# Altium PCB V1.PcbDoc (part 2 of 2)
Units mm, origin at the board's own origin, x right, y up, seen from the top; angles counter-clockwise.
Board outline 284.69 x 94.19 mm, 2 copper layers (Top Layer, Bottom Layer); 180 components, 112 nets, 773 pads, 156 vias.
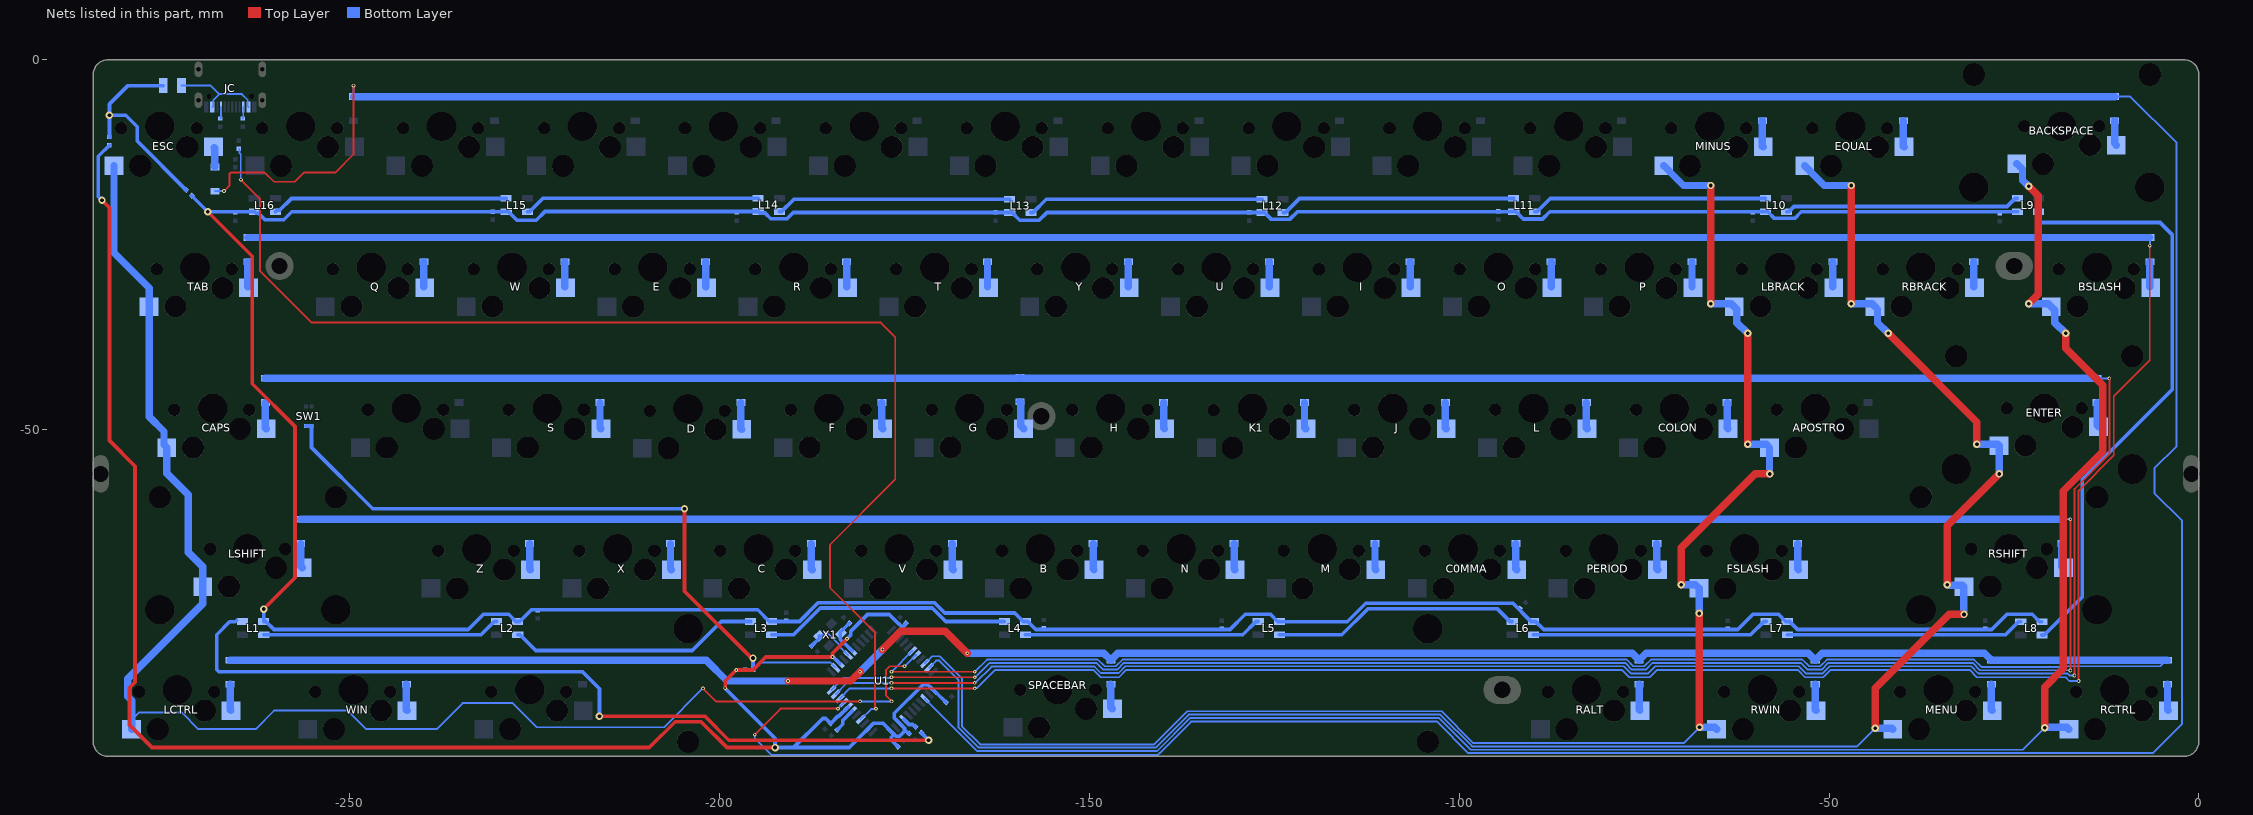
[diagram p2: the nets of this part, all layers, seen from the top]

## Via types
v1: diameter 1, hole 0.5, Top Layer to Bottom Layer, tented both sides, 95 vias
v2: diameter 0.5, hole 0.25, Top Layer to Bottom Layer, tented both sides, 61 vias

## Nets (pads, with @x,y where several pads share a name; then routed paths per layer and width w, separated by ;. In a path a pad name is that pad's centre, name@x,y a point inside that pad or via, vN(x,y) a via of type N, cw(c..) or ccw(c..) an arc to the next point about the centre after c; other vN are vias at no path point) (continued)
NetAPOSTRO_MX2: APOSTRO.MX2 FSLASH.MX2 LBRACK.MX2 MINUS.MX2 RWIN.MX2 U1.31 | length 215.9
  Top Layer w1: v1(-70,-71) -70,-66 -60,-56 v1(-58,-56) ; v1(-67.56,-74.864) -67.53,-74.894 -67.53,-90.22 v1(-67.5,-90.25) ; v1(-66,-33) v1(-66,-17) ; v1(-61,-52) v1(-61,-37)
  Bottom Layer w0.254: U1.31@-172.253,-81.629 -171.277,-80.654 -170.238,-80.654 -167.25,-83.642 -167.25,-90.089 -164.778,-92.561 -141.237,-92.561 -136.768,-88.092 -102.374,-88.092 -98.078,-92.388 -69.638,-92.388 v1(-67.5,-90.25)
  Bottom Layer w1: MINUS.MX2@-72.34,-14.334 -72.315,-14.334 -71.565,-15.084 -71.565,-15.109 -69.674,-17 v1(-66,-17) ; v1(-70,-71) -68.062,-71 FSLASH.MX2@-67.578,-71.484 -67.56,-71.484 v1(-67.56,-74.864) ; v1(-67.5,-90.25) RWIN.MX2@-65.447,-90.25 ; v1(-66,-33) -63.199,-33 LBRACK.MX2@-62.815,-33.384 -62.452,-33.748 -62.452,-35.548 v1(-61,-37) ; RWIN.MX2@-65.197,-90.534 RWIN.MX2@-65.197,-90.5 ; v1(-61,-52) -58.487,-52 APOSTRO.MX2@-58.053,-52.434 -58.053,-55.947 v1(-58,-56)
NetB_MX1: B.MX1 D47.A | length 3.6
  Bottom Layer w1: D47.A@-149.494,-65.404 -149.494,-68.828 B.MX1@-149.378,-68.944
NetBACKSPACE_MX1: BACKSPACE.MX1 D14.A | length 3.4
  Bottom Layer w1: D14.A@-11.381,-8.254 -11.381,-11.324 BACKSPACE.MX1@-11.165,-11.54
NetBACKSPACE_MX2: BACKSPACE.MX2 BSLASH.MX2 RCTRL.MX2 U1.36 | length 249.6
  Top Layer w1: v1(-23,-33) -21.71,-31.71 -21.71,-18.415 v1(-23,-17.125) ; v1(-20.834,-90.329) -20.834,-84.834 -18.316,-82.316 -18.316,-58.316 -13,-53 -13,-44 -18,-39 v1(-18,-37)
  Bottom Layer w0.254: U1.36@-172.253,-86.371 -165.154,-93.469 -140.861,-93.469 -136.392,-89 -102.75,-89 -98.454,-93.296 -23.801,-93.296 v1(-20.834,-90.329)
  Bottom Layer w1: BACKSPACE.MX2@-24.615,-14.08 -24.59,-14.08 -23.84,-14.83 -23.84,-16.285 v1(-23,-17.125) ; v1(-23,-33) -20.337,-33 BSLASH.MX2@-19.953,-33.384 -19.461,-33.876 -19.461,-35.539 v1(-18,-37) ; v1(-20.834,-90.329) -20.744,-90.239 -17.866,-90.239 RCTRL.MX2@-17.572,-90.534
NetBSLASH_MX1: BSLASH.MX1 D28.A | length 3.6
  Bottom Layer w0.254: BSLASH.MX1@-6.619,-30.728 BSLASH.MX1@-6.503,-30.844
  Bottom Layer w1: BSLASH.MX1@-6.619,-30.728 D28.A@-6.619,-27.304
NetC0MMA_MX1: C0MMA.MX1 D50.A | length 3.6
  Bottom Layer w1: D50.A@-92.344,-65.404 -92.344,-68.828 C0MMA.MX1@-92.228,-68.944
NetC6_2: C6.2 U1.6 | length 3.4
  Bottom Layer w0.5: C6.2@-184.111,-90.611 -183.35,-89.85 -183.35,-89.35 U1.6@-182.059,-88.059
NetC_MX1: C.MX1 D45.A | length 3.6
  Bottom Layer w1: D45.A@-187.594,-65.404 -187.594,-68.828 C.MX1@-187.478,-68.944
NetCAPS_MX1: CAPS.MX1 D29.A | length 3.6
  Bottom Layer w1: D29.A@-261.412,-46.354 -261.412,-49.778 CAPS.MX1@-261.297,-49.894
NetCAPS_MX2: CAPS.MX2 ESC.MX2 LCTRL.MX2 LSHIFT.MX2 TAB.MX2 U1.29 | length 208.3
  Top Layer w0.254: v2(-202.25,-85) -200.5,-86.75 v2(-181,-86.75) ; v2(-176.75,-86.75) -177.5,-86 -177.5,-82.5 -177,-82 v2(-175,-82)
  Bottom Layer w0.254: LCTRL.MX2@-279.509,-90.534 -279.077,-90.102 -279.077,-88.827 -278.5,-88.25 -272.75,-88.25 -270.5,-90.5 -262.75,-90.5 -260.25,-88 -250.25,-88 -247.75,-90.5 -238.25,-90.5 -234.75,-87 -228,-87 -224.75,-90.25 -207.5,-90.25 v2(-202.25,-85) ; v2(-181,-86.75) v2(-176.75,-86.75) ; v2(-175,-82) -173.498,-80.498 U1.29@-173.384,-80.498
  Bottom Layer w1: ESC.MX2@-281.89,-14.334 -281.89,-26.11 -277.128,-30.872 TAB.MX2@-277.128,-33.384 -277.128,-48.272 -275.13,-50.27 -275.13,-52.05 CAPS.MX2@-274.747,-52.434 -274.747,-55.903 -271.85,-58.8 -271.85,-66.6 -269.884,-68.566 LSHIFT.MX2@-269.884,-71.23 -269.884,-73.534 -280.049,-83.699 -280.049,-86.096 -279.509,-86.636 -279.509,-88.827 -279.509,-90.102 LCTRL.MX2@-279.509,-90.534
NetCOLON_MX1: COLON.MX1 D39.A | length 3.6
  Bottom Layer w1: D39.A@-63.769,-46.354 -63.769,-49.778 COLON.MX1@-63.653,-49.894
NetD1_A: D1.A ESC.MX1 | length 2.8
  Bottom Layer w0.254: ESC.MX1@-268.441,-11.794 ESC.MX1@-268.345,-11.889
  Bottom Layer w1: ESC.MX1@-268.345,-11.889 -268.25,-11.985 D1.A@-268.25,-14.5
NetD1_C: D1.C D2.C D3.C D4.C D5.C D6.C D7.C D8.C D9.C D10.C D11.C D12.C D13.C D14.C U1.8 | length 577.5
  Top Layer w0.254: v2(-267,-17.75) -266.25,-17 -266.25,-15.399 -266.101,-15.25 -261.5,-15.25 -260.25,-16.5 -257.448,-16.5 -256.198,-15.25 -251.949,-15.25 -249.5,-12.801 v2(-249.5,-3.5) ; v2(-195.25,-91.25) -191.743,-87.743 v2(-184.007,-87.743)
  Bottom Layer w0.254: D1.C@-268.25,-17.77 -267.02,-17.77 v2(-267,-17.75) ; D2.C@-249.506,-4.984 -249.5,-4.978 v2(-249.5,-3.5) ; v2(-195.25,-91.25) -195.25,-91.75 -193,-94 -140.75,-94 -140.5,-93.75 -136.25,-89.5 -103,-89.5 -98.75,-93.75 -6.25,-93.75 -2.25,-89.75 -2.25,-62.35 -6,-58.6 -6,-55.25 -3,-52.25 -3,-11.25 -9.266,-4.984 D14.C@-11.381,-4.984 ; v2(-184.007,-87.743) U1.8@-183.191,-86.928
  Bottom Layer w1: D2.C@-249.506,-4.984 D3.C@-230.456,-4.984 D4.C@-211.406,-4.984 D5.C@-192.356,-4.984 D6.C@-173.306,-4.984 D7.C@-154.256,-4.984 D8.C@-135.206,-4.984 D9.C@-116.156,-4.984 D10.C@-97.106,-4.984 D11.C@-78.056,-4.984 D12.C@-59.006,-4.984 D13.C@-39.956,-4.984 D14.C@-11.381,-4.984
NetD12_A: D12.A MINUS.MX1 | length 3.6
  Bottom Layer w1: D12.A@-59.006,-8.254 -59.006,-11.678 MINUS.MX1@-58.891,-11.794
NetD13_A: D13.A EQUAL.MX1 | length 3.6
  Bottom Layer w1: D13.A@-39.956,-8.254 -39.956,-11.678 EQUAL.MX1@-39.841,-11.794
NetD15_A: D15.A TAB.MX1 | length 3.6
  Bottom Layer w0.254: TAB.MX1@-263.794,-30.728 TAB.MX1@-263.678,-30.844
  Bottom Layer w1: TAB.MX1@-263.794,-30.728 D15.A@-263.794,-27.304
NetD15_C: D15.C D16.C D17.C D18.C D19.C D20.C D21.C D22.C D23.C D24.C D25.C D26.C D27.C D28.C U1.9 | length 493.3
  Top Layer w0.254: v2(-176.75,-85) v2(-165.5,-85) ; v2(-16.25,-84) -16.25,-58.25 -11.5,-53.5 -11.5,-45.5 -6.631,-40.631 v2(-6.631,-25.131)
  Bottom Layer w0.254: U1.9@-183.747,-86.371 -182.377,-85 v2(-176.75,-85) ; v2(-165.5,-85) -165.453,-84.953 -165.203,-84.953 -162.75,-82.5 -149.5,-82.5 -148.5,-83.5 -146,-83.5 -145,-82.5 -78,-82.5 -77,-83.5 -74.25,-83.5 -73.25,-82.5 -54.25,-82.5 -53.25,-83.5 -50.75,-83.5 -49.75,-82.5 -31,-82.5 -30,-83.5 -18,-83.5 -17.5,-84 v2(-16.25,-84) ; v2(-6.631,-25.131) -6.619,-25.119 D28.C@-6.619,-24.034
  Bottom Layer w1: D15.C@-263.794,-24.034 D16.C@-239.981,-24.034 D17.C@-220.931,-24.034 D18.C@-201.881,-24.034 D19.C@-182.831,-24.034 D20.C@-163.781,-24.034 D21.C@-144.731,-24.034 D22.C@-125.681,-24.034 D23.C@-106.631,-24.034 D24.C@-87.581,-24.034 D25.C@-68.531,-24.034 D26.C@-49.481,-24.034 D27.C@-30.431,-24.034 D28.C@-6.619,-24.034
NetD16_A: D16.A Q.MX1 | length 3.6
  Bottom Layer w0.254: Q.MX1@-239.981,-30.728 Q.MX1@-239.866,-30.844
  Bottom Layer w1: Q.MX1@-239.981,-30.728 D16.A@-239.981,-27.304
NetD17_A: D17.A W.MX1 | length 3.6
  Bottom Layer w0.254: W.MX1@-220.931,-30.728 W.MX1@-220.816,-30.844
  Bottom Layer w1: W.MX1@-220.931,-30.728 D17.A@-220.931,-27.304
NetD18_A: D18.A E.MX1 | length 3.6
  Bottom Layer w0.254: E.MX1@-201.881,-30.728 E.MX1@-201.766,-30.844
  Bottom Layer w1: E.MX1@-201.881,-30.728 D18.A@-201.881,-27.304
NetD19_A: D19.A R.MX1 | length 3.6
  Bottom Layer w0.254: R.MX1@-182.831,-30.728 R.MX1@-182.716,-30.844
  Bottom Layer w1: R.MX1@-182.831,-30.728 D19.A@-182.831,-27.304
NetD20_A: D20.A T.MX1 | length 3.6
  Bottom Layer w0.254: T.MX1@-163.781,-30.728 T.MX1@-163.666,-30.844
  Bottom Layer w1: T.MX1@-163.781,-30.728 D20.A@-163.781,-27.304
NetD21_A: D21.A Y.MX1 | length 3.6
  Bottom Layer w0.254: Y.MX1@-144.731,-30.728 Y.MX1@-144.616,-30.844
  Bottom Layer w1: Y.MX1@-144.731,-30.728 D21.A@-144.731,-27.304
NetD22_A: D22.A U.MX1 | length 3.6
  Bottom Layer w0.254: U.MX1@-125.681,-30.728 U.MX1@-125.565,-30.844
  Bottom Layer w1: U.MX1@-125.681,-30.728 D22.A@-125.681,-27.304
NetD23_A: D23.A I.MX1 | length 3.6
  Bottom Layer w0.254: I.MX1@-106.631,-30.728 I.MX1@-106.516,-30.844
  Bottom Layer w1: I.MX1@-106.631,-30.728 D23.A@-106.631,-27.304
NetD24_A: D24.A O.MX1 | length 3.6
  Bottom Layer w0.254: O.MX1@-87.581,-30.728 O.MX1@-87.465,-30.844
  Bottom Layer w1: O.MX1@-87.581,-30.728 D24.A@-87.581,-27.304
NetD25_A: D25.A P.MX1 | length 3.6
  Bottom Layer w0.254: P.MX1@-68.531,-30.728 P.MX1@-68.416,-30.844
  Bottom Layer w1: P.MX1@-68.531,-30.728 D25.A@-68.531,-27.304
NetD26_A: D26.A LBRACK.MX1 | length 3.6
  Bottom Layer w0.254: LBRACK.MX1@-49.481,-30.728 LBRACK.MX1@-49.366,-30.844
  Bottom Layer w1: LBRACK.MX1@-49.481,-30.728 D26.A@-49.481,-27.304
NetD27_A: D27.A RBRACK.MX1 | length 3.6
  Bottom Layer w0.254: RBRACK.MX1@-30.431,-30.728 RBRACK.MX1@-30.316,-30.844
  Bottom Layer w1: RBRACK.MX1@-30.431,-30.728 D27.A@-30.431,-27.304
NetD29_C: D29.C D30.C D31.C D32.C D33.C D34.C D35.C D36.C D37.C D38.C D39.C D40.C D41.C U1.10 | length 463.5
  Top Layer w0.254: v2(-176.75,-84.25) v2(-165.5,-84.25) ; v2(-16.827,-83.25) -16.789,-83.212 -16.789,-58.039 -12.094,-53.344 v2(-12.094,-43.084)
  Bottom Layer w0.254: U1.10@-184.322,-85.796 -182.776,-84.25 v2(-176.75,-84.25) ; v2(-165.5,-84.25) -165.434,-84.25 -163.23,-82.046 -149.312,-82.046 -148.439,-82.919 -146.061,-82.919 -145.142,-82 -77.75,-82 -77,-82.75 -76.75,-83 -74.5,-83 -73.5,-82 -54.108,-82 -53.108,-83 -50.892,-83 -49.892,-82 -30.784,-82 -29.858,-82.926 -29.784,-83 -17.761,-83 -17.756,-83.004 -17.685,-83.074 -17.509,-83.25 v2(-16.827,-83.25) ; D41.C@-13.762,-43.084 v2(-12.094,-43.084)
  Bottom Layer w1: D29.C@-261.412,-43.084 D30.C@-235.219,-43.084 D31.C@-216.169,-43.084 D32.C@-197.119,-43.084 D33.C@-178.069,-43.084 -159.584,-43.084 -159.465,-42.965 D34.C@-159.4,-42.965 -159.335,-42.965 -159.216,-43.084 D35.C@-139.969,-43.084 D36.C@-120.919,-43.084 D37.C@-101.869,-43.084 D38.C@-82.819,-43.084 D39.C@-63.769,-43.084 D40.C@-44.719,-43.084 D41.C@-13.762,-43.084
NetD31_A: D31.A S.MX1 | length 3.6
  Bottom Layer w1: D31.A@-216.169,-46.354 -216.169,-49.778 S.MX1@-216.053,-49.894
NetD32_A: D32.A D.MX1 | length 3.7
  Bottom Layer w1: D32.A@-197.119,-46.354 -197.119,-49.891 D.MX1@-197.016,-49.994
NetD33_A: D33.A F.MX1 | length 3.6
  Bottom Layer w1: D33.A@-178.069,-46.354 -178.069,-49.778 F.MX1@-177.953,-49.894
NetD34_A: D34.A G.MX1 | length 3.9
  Bottom Layer w1: D34.A@-159.4,-46.235 -159.335,-46.235 -159.29,-46.28 -159.29,-49.507 G.MX1@-158.903,-49.894
NetD35_A: D35.A H.MX1 | length 3.6
  Bottom Layer w1: D35.A@-139.969,-46.354 -139.969,-49.778 H.MX1@-139.853,-49.894
NetD36_A: D36.A K1.MX1 | length 3.6
  Bottom Layer w1: D36.A@-120.919,-46.354 -120.919,-49.741 K1.MX1@-120.741,-49.919
NetD37_A: D37.A J.MX1 | length 3.6
  Bottom Layer w1: D37.A@-101.869,-46.354 -101.869,-49.778 J.MX1@-101.753,-49.894
NetD38_A: D38.A L.MX1 | length 3.6
  Bottom Layer w1: D38.A@-82.819,-46.354 -82.819,-49.778 L.MX1@-82.703,-49.894
NetD41_A: D41.A ENTER.MX1 | length 3.4
  Bottom Layer w1: D41.A@-13.762,-46.354 -13.762,-49.424 ENTER.MX1@-13.546,-49.64
NetD42_A: D42.A LSHIFT.MX1 | length 3.4
  Bottom Layer w1: D42.A@-256.65,-65.404 -256.65,-68.474 LSHIFT.MX1@-256.434,-68.69
NetD42_C: D42.C D43.C D44.C D45.C D46.C D47.C D48.C D49.C D50.C D51.C D52.C D53.C U1.11 | length 431.5
  Top Layer w0.254: v2(-176.75,-83.5) v2(-165.5,-83.5) ; v2(-17.366,-82.577) v2(-17.366,-62.134)
  Bottom Layer w0.254: U1.11@-184.879,-85.239 -183.217,-83.577 -176.827,-83.577 v2(-176.75,-83.5) ; v2(-165.5,-83.5) -165.434,-83.5 -163.48,-81.546 -149.062,-81.546 -148.143,-82.465 -146.249,-82.465 -145.33,-81.546 -77.562,-81.546 -76.643,-82.465 -74.786,-82.465 -73.868,-81.546 -53.812,-81.546 -52.893,-82.465 -50.999,-82.465 -50.08,-81.546 -30.596,-81.546 -29.596,-82.546 -17.397,-82.546 v2(-17.366,-82.577) ; D53.C@-18.525,-62.134 v2(-17.366,-62.134)
  Bottom Layer w1: D42.C@-256.65,-62.134 D43.C@-225.694,-62.134 D44.C@-206.644,-62.134 D45.C@-187.594,-62.134 D46.C@-168.544,-62.134 D47.C@-149.494,-62.134 D48.C@-130.444,-62.134 D49.C@-111.394,-62.134 D50.C@-92.344,-62.134 D51.C@-73.294,-62.134 D52.C@-54.244,-62.134 D53.C@-18.525,-62.134
NetD43_A: D43.A Z.MX1 | length 3.6
  Bottom Layer w1: D43.A@-225.694,-65.404 -225.694,-68.828 Z.MX1@-225.578,-68.944
NetD44_A: D44.A X.MX1 | length 3.6
  Bottom Layer w1: D44.A@-206.644,-65.404 -206.644,-68.828 X.MX1@-206.528,-68.944
NetD46_A: D46.A V.MX1 | length 3.6
  Bottom Layer w1: D46.A@-168.544,-65.404 -168.544,-68.828 V.MX1@-168.428,-68.944
NetD48_A: D48.A N.MX1 | length 3.6
  Bottom Layer w1: D48.A@-130.444,-65.404 -130.444,-68.828 N.MX1@-130.328,-68.944
NetD49_A: D49.A M.MX1 | length 3.6
  Bottom Layer w1: D49.A@-111.394,-65.404 -111.394,-68.828 M.MX1@-111.278,-68.944
NetD51_A: D51.A PERIOD.MX1 | length 3.6
  Bottom Layer w1: D51.A@-73.294,-65.404 -73.294,-68.828 PERIOD.MX1@-73.178,-68.944
NetD52_A: D52.A FSLASH.MX1 | length 3.6
  Bottom Layer w1: D52.A@-54.244,-65.404 -54.244,-68.828 FSLASH.MX1@-54.128,-68.944
NetD53_A: D53.A RSHIFT.MX1 | length 3.4
  Bottom Layer w1: D53.A@-18.525,-65.404 -18.525,-68.475 RSHIFT.MX1@-18.31,-68.69
NetD54_A: D54.A LCTRL.MX1 | length 3.6
  Bottom Layer w1: D54.A@-266.175,-84.454 -266.175,-87.878 LCTRL.MX1@-266.059,-87.994
NetD54_C: D54.C D55.C D56.C D57.C D58.C D59.C D60.C D61.C U1.28 | length 451.5
  Top Layer w0.254: v2(-176.75,-82.75) v2(-165.5,-82.75)
  Top Layer w1: v2(-190.75,-84) -182.25,-84 v2(-181,-82.75) ; v2(-178,-79.75) -175.5,-77.25 -169.5,-77.25 v2(-166.5,-80.25)
  Bottom Layer w0.254: v2(-176.75,-82.75) U1.28@-173.941,-79.941 ; v2(-165.5,-82.75) -163.842,-81.092 -148.874,-81.092 -147.955,-82.011 -146.437,-82.011 -145.518,-81.092 -77.374,-81.092 -76.455,-82.011 -74.975,-82.011 -74.056,-81.092 -53.624,-81.092 -52.705,-82.011 -51.187,-82.011 -50.268,-81.092 -30.408,-81.092 -29.408,-82.092 -17.851,-82.092 -17.759,-82 -5.209,-82 -4.392,-81.184 D61.C@-4.237,-81.184 ; D60.C@-28.05,-81.512 -26.851,-81.512
  Bottom Layer w1: D54.C@-266.175,-81.184 D55.C@-242.362,-81.184 D56.C@-218.55,-81.184 -201.816,-81.184 -199,-84 v2(-190.75,-84) ; v2(-181,-82.75) v2(-178,-79.75) ; v2(-166.5,-80.25) -163.333,-80.25 -148.046,-80.25 -147.222,-81.074 -147.222,-81.139 -147.157,-81.139 D57.C@-147.112,-81.184 -146.179,-80.25 -128.997,-80.25 -126.917,-80.25 -124.097,-80.25 -122.017,-80.25 -94.662,-80.25 -92.582,-80.25 -89.762,-80.25 -87.682,-80.25 -76.609,-80.25 -76.316,-80.543 D58.C@-75.675,-81.184 -75.63,-81.139 -75.565,-81.139 -75.565,-81.074 -74.741,-80.25 -52.796,-80.25 -51.972,-81.074 -51.972,-81.139 -51.907,-81.139 D59.C@-51.862,-81.184 -51.818,-81.139 -51.753,-81.139 -51.753,-81.074 -50.929,-80.25 -28.984,-80.25 -28.16,-81.074 -28.16,-81.139 -28.095,-81.139 D60.C@-28.05,-81.184 -26.851,-81.184 D61.C@-4.237,-81.184
NetD55_A: D55.A WIN.MX1 | length 3.6
  Bottom Layer w1: D55.A@-242.362,-84.454 -242.362,-87.878 WIN.MX1@-242.247,-87.994
NetD57_A: D57.A SPACEBAR.MX1 | length 3.4
  Bottom Layer w1: D57.A@-147.112,-84.454 -147.112,-87.524 SPACEBAR.MX1@-146.896,-87.74
NetD58_A: D58.A RALT.MX1 | length 3.6
  Bottom Layer w1: D58.A@-75.675,-84.454 -75.675,-87.878 RALT.MX1@-75.559,-87.994
NetD59_A: D59.A RWIN.MX1 | length 3.6
  Bottom Layer w1: D59.A@-51.862,-84.454 -51.862,-87.878 RWIN.MX1@-51.747,-87.994
NetD60_A: D60.A MENU.MX1 | length 3.6
  Bottom Layer w1: D60.A@-28.05,-84.454 -28.05,-87.878 MENU.MX1@-27.934,-87.994
NetD61_A: D61.A RCTRL.MX1 | length 3.6
  Bottom Layer w1: D61.A@-4.237,-84.454 -4.237,-87.878 RCTRL.MX1@-4.122,-87.994
NetENTER_MX2: ENTER.MX2 EQUAL.MX2 MENU.MX2 RBRACK.MX2 RSHIFT.MX2 U1.32 | length 247.6
  Top Layer w1: v1(-47,-33) v1(-47,-17) ; v1(-43.75,-90.389) -43.75,-85 -33.75,-75 v1(-31.75,-75) ; v1(-42,-37) -30,-49 v1(-30,-52) ; v1(-34,-71) -34,-63 v1(-27,-56)
  Bottom Layer w0.254: U1.32@-171.678,-82.204 -170.724,-81.25 -170.284,-81.25 -167.704,-83.83 -167.704,-90.277 -164.966,-93.015 -141.049,-93.015 -136.58,-88.546 -102.562,-88.546 -98.266,-92.842 -46.203,-92.842 v1(-43.75,-90.389)
  Bottom Layer w1: EQUAL.MX2@-53.29,-14.334 -53.265,-14.334 -52.515,-15.084 -52.515,-15.109 -50.624,-17 v1(-47,-17) ; v1(-47,-33) -44.149,-33 RBRACK.MX2@-43.765,-33.384 -43.452,-33.698 -43.452,-35.548 v1(-42,-37) ; v1(-43.75,-90.389) -43.736,-90.403 -41.515,-90.403 MENU.MX2@-41.384,-90.534 ; v1(-34,-71) -33.948,-71.052 -31.963,-71.052 RSHIFT.MX2@-31.784,-71.23 ; RSHIFT.MX2@-31.76,-71.23 -31.76,-75 v1(-31.75,-75) ; v1(-30,-52) -27.201,-52 ENTER.MX2@-27.021,-52.18 ; v1(-27,-56) -26.996,-55.996 ENTER.MX2@-26.996,-52.18
NetF1_1: F1.1 JC.A4B9 JC.B4A9 | length 12.9
  Bottom Layer w0.254: F1.1@-272.768,-3.5 -268.8,-3.5 -267.65,-4.65 ; JC.A4B9@-268.6,-6.395 -268.47,-6.265 -268.47,-5.47 -267.65,-4.65 ; JC.B4A9@-263.7,-6.395 -263.805,-6.29 -263.805,-5.445 -264.6,-4.65 -267.65,-4.65
NetJC_A5: JC.A5 R1.2 | length 1.6
  Bottom Layer w0.254: R1.2@-267.5,-7.95 -267.4,-7.85 JC.A5@-267.4,-6.395
NetJC_B5: JC.B5 R5.1 | length 1.7
  Bottom Layer w0.254: JC.B5@-264.4,-6.395 R5.1@-264.4,-7.85 ; R5.1@-264.4,-7.85 R5.1@-264.5,-7.95 R5.1@-264.4,-7.85
NetL1_2-DOUT: L1.2-DOUT L2.4-DIN | length 32.2
  Bottom Layer w0.5: L1.2-DOUT@-261.632,-77.75 -232.267,-77.75 -230.467,-75.95 L2.4-DIN@-230.167,-75.95
NetL1_4-DIN: L1.4-DIN R6.1 | length 112
  Top Layer w0.5: v1(-216.25,-88.75) -202.025,-88.75 -198.775,-92 v1(-171.75,-92)
  Bottom Layer w0.5: -265.301,-75.8 -265.501,-76 -266.25,-76 -268,-77.75 -268,-82.457 -267.707,-82.75 -218.552,-82.75 -216.25,-85.052 v1(-216.25,-88.75) ; R6.1@-172.711,-90.989 -172.711,-91.039 v1(-171.75,-92)
NetL2_2-DOUT: L2.2-DOUT L3.4-DIN | length 34
  Bottom Layer w0.5: L2.2-DOUT@-227.299,-77.75 -226.999,-77.75 -224.874,-79.875 -203.706,-79.875 -199.781,-75.95 L3.4-DIN@-195.834,-75.95
NetL3_2-DOUT: L3.2-DOUT L4.4-DIN | length 33.7
  Bottom Layer w0.5: L3.2-DOUT@-192.966,-77.75 -190,-77.75 -186.384,-74.134 -171.241,-74.134 -169.425,-75.95 L4.4-DIN@-161.501,-75.95
NetL4_2-DOUT: L4.2-DOUT L5.4-DIN | length 32.2
  Bottom Layer w0.5: L4.2-DOUT@-158.633,-77.75 -129.267,-77.75 -127.467,-75.95 L5.4-DIN@-127.167,-75.95
NetL5_2-DOUT: L5.2-DOUT L6.4-DIN | length 33.6
  Bottom Layer w0.5: L5.2-DOUT@-124.299,-77.75 -115.875,-77.75 -112.375,-74.25 -94.834,-74.25 -93.134,-75.95 L6.4-DIN@-92.834,-75.95
NetL6_2-DOUT: L6.2-DOUT L7.4-DIN | length 32.2
  Bottom Layer w0.5: L6.2-DOUT@-89.966,-77.75 -60.601,-77.75 -58.801,-75.95 L7.4-DIN@-58.501,-75.95
NetL7_2-DOUT: L7.2-DOUT L8.4-DIN | length 32.3
  Bottom Layer w0.5: L7.2-DOUT@-55.633,-77.75 -26.15,-77.75 -24.375,-75.975 L8.4-DIN@-24.075,-75.975
NetL8_2-DOUT: L8.2-DOUT L9.4-DIN | length 81.6
  Bottom Layer w0.5: L9.4-DIN@-21.675,-20.55 -21.675,-20.725 -21.65,-20.75 -21.65,-21.707 -21.357,-22 -5.26,-22 -3.577,-23.683 -3.577,-44.567 -15.745,-56.735 -15.745,-72.613 -20.907,-77.775 L8.2-DOUT@-21.207,-77.775
NetL9_2-DOUT: L9.2-DOUT L10.4-DIN | length 31.9
  Bottom Layer w0.5: L10.4-DIN@-55.729,-20.55 -55.429,-20.55 -54.729,-19.85 -25.943,-19.85 -24.843,-18.75 L9.2-DOUT@-24.543,-18.75
NetL10_2-DOUT: L10.2-DOUT L11.4-DIN | length 31.9
  Bottom Layer w0.5: L11.4-DIN@-89.782,-20.55 -89.482,-20.55 -87.682,-18.75 L10.2-DOUT@-58.618,-18.75
NetL11_2-DOUT: L11.2-DOUT L12.4-DIN | length 31.9
  Bottom Layer w0.5: L12.4-DIN@-123.8,-20.65 -123.5,-20.65 -121.6,-18.75 L11.2-DOUT@-92.65,-18.75
NetL12_2-DOUT: L12.2-DOUT L13.4-DIN | length 32
  Bottom Layer w0.5: L13.4-DIN@-157.925,-20.65 -157.625,-20.65 -155.825,-18.85 L12.2-DOUT@-126.668,-18.85
NetL13_2-DOUT: L13.2-DOUT L14.4-DIN | length 31.8
  Bottom Layer w0.5: L14.4-DIN@-191.925,-20.525 -191.625,-20.525 -189.95,-18.85 L13.2-DOUT@-160.793,-18.85
NetL14_2-DOUT: L14.2-DOUT L15.4-DIN | length 32
  Bottom Layer w0.5: L15.4-DIN@-225.996,-20.55 -225.696,-20.55 -225.496,-20.35 -223.871,-18.725 L14.2-DOUT@-194.793,-18.725
NetL15_2-DOUT: L15.2-DOUT L16.4-DIN | length 31.9
  Bottom Layer w0.5: L16.4-DIN@-260.05,-20.55 -259.85,-20.35 -259.494,-20.35 -257.894,-18.75 L15.2-DOUT@-228.864,-18.75
NetR2_1: R2.1 SW1.B U1.13 | length 95.1
  Top Layer w0.5: v1(-204.749,-60.7) -204.749,-71.851 -195.7,-80.9 v1(-195.488,-80.9)
  Bottom Layer w0.254: R2.1@-195.45,-82.5 -194.45,-81.5 -185.026,-81.5 U1.13@-184.322,-82.204
  Bottom Layer w0.5: SW1.B@-255.925,-49.525 SW1.B@-255.175,-49.525 -255.175,-52.425 -246.9,-60.7 v1(-204.749,-60.7) ; v1(-195.488,-80.9) -195.488,-82.462 R2.1@-195.45,-82.5
P: R4.2 U1.4 | length 166.5
  Top Layer w0.254: v2(-264.717,-16.217) -262.146,-18.788 -262.146,-28.554 -255.154,-35.546 -178.204,-35.546 -176.25,-37.5 -176.25,-56.75 -185.077,-65.577 -185.077,-71.369 -178.969,-77.477 -178.969,-87.627 v2(-178.846,-87.75)
  Bottom Layer w0.254: R4.2@-265,-12.05 -264.918,-12.132 -264.918,-12.582 -264.75,-12.75 -264.75,-16.184 v2(-264.717,-16.217) ; U1.4@-180.928,-89.191 -180.921,-89.191 -179.528,-87.797 -178.893,-87.797 v2(-178.846,-87.75)
PF0: R6.2 U1.41 | length 2
  Bottom Layer w0.5: U1.41@-175.072,-89.191 -175.067,-89.191 -174.382,-89.875 -173.875,-89.875 -173.539,-90.211 R6.2@-173.489,-90.211
V: F1.2 R7.1 R8.1 | length 28.4
  Bottom Layer w0.5: R7.1@-282.5,-10.45 v1(-282.5,-7.5) ; F1.2@-275.233,-3.5 -280,-3.5 -282.5,-6 v1(-282.5,-7.5) ; R8.1@-272.139,-17.611 -278.75,-11 -278.75,-9.05 -280.3,-7.5 v1(-282.5,-7.5)
VCC: C1.2 C2.2 C3.2 C4.2 C5.2 R2.2 R7.2 U1.2 U1.7 U1.14 U1.24 U1.34 U1.42 U1.44 | length 263.9
  Top Layer w0.5: v1(-283.5,-19) -282.5,-20 -282.5,-51.5 -279.04,-54.96 -279.04,-84.156 -279.799,-84.916 -279.799,-89.951 -276.75,-93 -209.5,-93 -206,-89.5 -202.5,-89.5 -199,-93 v1(-192.5,-93) ; v2(-199.25,-84.969) -199.25,-84 v2(-197.75,-82.5) -195.5,-82.5 -193.75,-80.75 v2(-184.75,-80.75) -184.75,-80.25 v2(-182.783,-78.283)
  Bottom Layer w0.5: v1(-283.5,-19) -284,-18.5 -284,-13.05 R7.2@-282.5,-11.55 ; v2(-199.25,-84.969) -199.25,-85 -192.5,-91.75 v1(-192.5,-93) -190,-93 ; v2(-197.75,-82.5) R2.2@-196.55,-82.5 ; v2(-184.75,-80.75) -184.627,-80.75 U1.14@-183.747,-81.629 ; v2(-182.783,-78.283) -182.25,-77.75 -182.25,-77.25 -180,-75 -177.061,-75 -175.775,-76.285 -175.715,-76.285 -175.263,-76.737 ; U1.7@-182.616,-87.502 -183.864,-88.75 -184,-88.75 C2.2@-184.986,-89.736 -185.654,-89.068 -186.068,-89.068 -190,-93 ; U1.2@-179.796,-90.322 -179.2,-89.726 ; U1.2@-179.793,-90.325 -182.468,-93 -190,-93 ; -179.197,-89.728 -177.911,-89.728 U1.44@-176.761,-90.879 -176.419,-91.22 -176.419,-91.226 -176.8,-91.606 -176.8,-91.978 C4.2@-175.889,-92.889 ; U1.44@-176.414,-91.22 -176.161,-91.473 -175.676,-91.473 -174.997,-90.794 ; U1.24@-176.204,-77.678 -175.263,-76.737 ; C1.2@-174.811,-76.189 -174.811,-76.26 -175.006,-76.454 -175.006,-76.479 -175.263,-76.737 ; C3.2@-174.389,-91.111 -174.46,-91.111 -174.777,-90.794 -174.997,-90.794 ; C5.2@-169.389,-86.889 -170.697,-85.581 -170.78,-85.581 U1.34@-171.121,-85.239 -171.125,-85.239 -171.864,-84.5 -172.5,-84.5 -176.377,-88.377 -176.377,-89 U1.42@-175.629,-89.747 -175.629,-89.753 -174.997,-90.385 -174.997,-90.794
VCC_LED: C9.1 C10.1 C11.1 C12.1 C13.1 C14.1 C15.1 C16.1 C17.1 C18.1 C19.1 C20.1 C21.1 C22.1 C23.1 L1.1-VDD L2.1-VDD L3.1-VDD L4.1-VDD L5.1-VDD L6.1-VDD L7.1-VDD L8.1-VDD L9.1-VDD L10.1-VDD L11.1-VDD L12.1-VDD L13.1-VDD L14.1-VDD L15.1-VDD L16.1-VDD R8.2 | length 567.7
  Top Layer w0.5: v1(-269.2,-20.55) -263.177,-26.573 -263.177,-43.817 -257.414,-49.58 -257.414,-70.039 v1(-261.65,-74.275)
  Bottom Layer w0.5: R8.2@-271.361,-18.389 v1(-269.2,-20.55) L16.1-VDD@-262.9,-20.55 -262.7,-20.75 -262.35,-20.75 -261.475,-21.625 -258.925,-21.625 -257.85,-20.55 L15.1-VDD@-228.846,-20.55 -228.546,-20.55 -227.396,-21.7 -224.8,-21.7 -223.625,-20.525 L14.1-VDD@-194.775,-20.525 -194.575,-20.725 -193.875,-20.725 -193.1,-21.5 -190.9,-21.5 -190.05,-20.65 -160.475,-20.65 -159.425,-21.7 -156.8,-21.7 -155.75,-20.65 -126.35,-20.65 -126,-21 -125.45,-21.55 -122.864,-21.55 -121.864,-20.55 -92.332,-20.55 -91.341,-21.541 -88.741,-21.541 -87.75,-20.55 -58.279,-20.55 -57.379,-21.45 -54.65,-21.45 -53.75,-20.55 L9.1-VDD@-24.525,-20.55 ; v1(-261.65,-74.275) L1.1-VDD@-261.65,-75.95 -261.35,-75.95 -260.25,-77.05 -233.999,-77.05 -231.939,-74.99 -228.509,-74.99 L2.1-VDD@-227.524,-75.975 ; L2.1-VDD@-227.317,-75.95 -227.017,-75.95 -225.442,-74.375 -194.859,-74.375 -193.284,-75.95 L3.1-VDD@-192.984,-75.95 -189.2,-75.95 -186.684,-73.434 -170.941,-73.434 -169.563,-74.812 -160.088,-74.812 -158.951,-75.95 L4.1-VDD@-158.651,-75.95 -158.351,-75.95 -157.251,-77.05 -130.999,-77.05 -128.939,-74.99 -125.509,-74.99 L5.1-VDD@-124.524,-75.975 ; L5.1-VDD@-124.317,-75.95 -124.267,-76 -115.125,-76 -112.625,-73.5 -92.734,-73.5 -90.284,-75.95 L6.1-VDD@-89.984,-75.95 -89.684,-75.95 -88.584,-77.05 -62.333,-77.05 -60.273,-74.99 -56.843,-74.99 L7.1-VDD@-55.858,-75.975 ; L7.1-VDD@-55.651,-75.95 -55.351,-75.95 -54.251,-77.05 -28,-77.05 -25.94,-74.99 -22.51,-74.99 -21.525,-75.975 L8.1-VDD@-21.225,-75.975
X1: C7.1 U1.17 X1.1 | length 5
  Bottom Layer w0.5: C7.1@-182.461,-76.189 -183.681,-77.409 -183.681,-78.375 -183.073,-78.983 -183.017,-78.983 U1.17@-182.059,-79.941
X2: C8.1 U1.16 X1.3 | length 7.3
  Bottom Layer w0.254: X1.3@-186.527,-77.894 -186.267,-77.894 -185.773,-77.4 -185.5,-77.4 -183.75,-79.15 -183.75,-79.364 U1.16@-182.616,-80.498
  Bottom Layer w0.5: C8.1@-187.564,-79.261 -186.527,-78.224 X1.3@-186.527,-77.894
pads on no net: 0.MH1 0.MH2 0.MH3 0.MH4 0.MH5 1.MH1 1.MH2 1.MH3 1.MH4 1.MH5 2.MH1 2.MH2 2.MH3 2.MH4 2.MH5 3.MH1 3.MH2 3.MH3 3.MH4 3.MH5 4.MH1 4.MH2 4.MH3 4.MH4 4.MH5 5.MH1 5.MH2 5.MH3 5.MH4 5.MH5 6.MH1 6.MH2 6.MH3 6.MH4 6.MH5 7.MH1 7.MH2 7.MH3 7.MH4 7.MH5 8.MH1 8.MH2 8.MH3 8.MH4 8.MH5 9.MH1 9.MH2 9.MH3 9.MH4 9.MH5 A.MH1 A.MH2 A.MH3 A.MH4 A.MH5 ALT.MH1 ALT.MH2 ALT.MH3 ALT.MH4 ALT.MH5 APOSTRO.MH1 APOSTRO.MH2 APOSTRO.MH3 APOSTRO.MH4 APOSTRO.MH5 B.MH1 B.MH2 B.MH3 B.MH4 B.MH5 BACKSPACE.MH1 BACKSPACE.MH2 BACKSPACE.MH3 BACKSPACE.MH4 BACKSPACE.MH5 BACKSPACE.MH7 BACKSPACE.MH8 BSLASH.MH1 BSLASH.MH2 BSLASH.MH3 BSLASH.MH4 BSLASH.MH5 C0MMA.MH1 C0MMA.MH2 C0MMA.MH3 C0MMA.MH4 C0MMA.MH5 C.MH1 C.MH2 C.MH3 C.MH4 C.MH5 CAPS.MH1 CAPS.MH2 CAPS.MH3 CAPS.MH4 CAPS.MH5 COLON.MH1 COLON.MH2 COLON.MH3 COLON.MH4 COLON.MH5 D.MH1 D.MH2 D.MH3 D.MH4 D.MH5 Designator5.4 Designator8.M2_* Designator9.4 Designator10.M2_* Designator11.4 E.MH1 E.MH2 E.MH3 E.MH4 E.MH5 ENTER.MH1 ENTER.MH2 ENTER.MH3 ENTER.MH4 ENTER.MH5 ENTER.MH7 ENTER.MH8 EQUAL.MH1 EQUAL.MH2 EQUAL.MH3 EQUAL.MH4 EQUAL.MH5 ESC.MH1 ESC.MH2 ESC.MH3 ESC.MH4 ESC.MH5 F.MH1 F.MH2 F.MH3 F.MH4 F.MH5 FSLASH.MH1 FSLASH.MH2 FSLASH.MH3 FSLASH.MH4 FSLASH.MH5 G.MH1 G.MH2 G.MH3 G.MH4 G.MH5 H.MH1 H.MH2 H.MH3 H.MH4 H.MH5 I.MH1 I.MH2 I.MH3 I.MH4 I.MH5 J.MH1 J.MH2 J.MH3 J.MH4 J.MH5 JC. JC.A8 JC.B8 K1.MH1 K1.MH2 K1.MH3 K1.MH4 K1.MH5 L16.2-DOUT L.MH1 L.MH2 L.MH3 L.MH4 L.MH5 LBRACK.MH1 LBRACK.MH2 LBRACK.MH3 LBRACK.MH4 LBRACK.MH5 LCTRL.MH1 LCTRL.MH2 LCTRL.MH3 LCTRL.MH4 LCTRL.MH5 LSHIFT.MH1 LSHIFT.MH2 LSHIFT.MH3 LSHIFT.MH4 LSHIFT.MH5 LSHIFT.MH7 LSHIFT.MH8 M.MH1 M.MH2 M.MH3 M.MH4 M.MH5 MENU.MH1 MENU.MH2 MENU.MH3 MENU.MH4 MENU.MH5 MINUS.MH1 MINUS.MH2 MINUS.MH3 MINUS.MH4 MINUS.MH5 N.MH1 N.MH2 N.MH3 N.MH4 N.MH5 O.MH1 O.MH2 O.MH3 O.MH4 O.MH5 P.MH1 P.MH2 P.MH3 P.MH4 P.MH5 PERIOD.MH1 PERIOD.MH2 PERIOD.MH3 PERIOD.MH4 PERIOD.MH5 Q.MH1 Q.MH2 Q.MH3 Q.MH4 Q.MH5 R.MH1 R.MH2 R.MH3 R.MH4 R.MH5 RALT.MH1 RALT.MH2 RALT.MH3 RALT.MH4 RALT.MH5 RBRACK.MH1 RBRACK.MH2 RBRACK.MH3 RBRACK.MH4 RBRACK.MH5 RCTRL.MH1 RCTRL.MH2 RCTRL.MH3 RCTRL.MH4 RCTRL.MH5 RSHIFT.MH1 RSHIFT.MH2 RSHIFT.MH3 RSHIFT.MH4 RSHIFT.MH5 RSHIFT.MH7 RSHIFT.MH8 RWIN.MH1 RWIN.MH2 RWIN.MH3 RWIN.MH4 RWIN.MH5 S.MH1 S.MH2 S.MH3 S.MH4 S.MH5 SPACEBAR.MH1 SPACEBAR.MH2 SPACEBAR.MH3 SPACEBAR.MH4 SPACEBAR.MH5 SPACEBAR.MH6 SPACEBAR.MH7 SPACEBAR.MH8 SPACEBAR.MH9 T.MH1 T.MH2 T.MH3 T.MH4 T.MH5 TAB.MH1 TAB.MH2 TAB.MH3 TAB.MH4 TAB.MH5 U1.1 U1.37 U1.38 U1.39 U1.40 U.MH1 U.MH2 U.MH3 U.MH4 U.MH5 V.MH1 V.MH2 V.MH3 V.MH4 V.MH5 W.MH1 W.MH2 W.MH3 W.MH4 W.MH5 WIN.MH1 WIN.MH2 WIN.MH3 WIN.MH4 WIN.MH5 X.MH1 X.MH2 X.MH3 X.MH4 X.MH5 Y.MH1 Y.MH2 Y.MH3 Y.MH4 Y.MH5 Z.MH1 Z.MH2 Z.MH3 Z.MH4 Z.MH5

## Polygon pours and split planes (outlines as drawn)
GND on Bottom Layer "GND" (solid, remove dead copper, pour order 4): -282.75,0 ccw(c-282.75,-1.95) -284.7,-1.95 -284.7,-92.3 ccw(c-282.808,-92.3) -282.808,-94.192 -2.2,-94.192 -2,-94.2 ccw(c-2,-92.2) 0,-92.2 0,-1.895 ccw(c-1.951,-1.951) -2.007,0

## Other copper
Top Layer:
  region: 254 vertices and 0 holes, not listed, extent -120.167,-87.497 -116.441,-82.637
  region: 306 vertices and 1 holes, not listed, extent -112.212,-87.402 -108.145,-82.637
  region: -134.747,-83.181 -134.733,-83.149 -134.602,-82.884 -134.48,-82.637 -133.479,-82.639 -133.515,-82.707 -135.052,-85.671 -135.098,-85.767 -135.1,-87.402 -135.998,-87.4 -136.001,-85.753 -136.026,-85.707 -136.522,-84.75 -136.873,-84.074 -137.368,-83.117 -137.57,-82.728 -137.615,-82.637 -136.614,-82.639 -136.543,-82.784 -135.633,-84.63 -135.61,-84.678 -135.486,-84.674 -135.254,-84.205 -134.864,-83.415 -134.749,-83.183
  region: 212 vertices and 3 holes, not listed, extent -128.424,-87.402 -120.872,-82.637
  region: 819 vertices and 0 holes, not listed, extent -145.246,-87.402 -141.463,-82.637
  region: 427 vertices and 0 holes, not listed, extent -132.98,-87.402 -129.317,-82.637
  region: -139.878,-84.589 -138.116,-84.591 -138.118,-85.408 -140.089,-85.409 -140.087,-86.584 -137.886,-86.585 -137.887,-87.402 -140.989,-87.4 -140.987,-82.637 -137.925,-82.639 -137.926,-83.456 -140.089,-83.458 -140.087,-84.589 -139.882,-84.589
  region: -115.001,-87.402 -115.571,-87.398 -115.573,-82.643 -115.568,-82.637 -114.673,-82.639 -114.672,-86.584 -112.495,-86.585 -112.499,-87.4 -114.998,-87.402
Bottom Layer:
  pour cut-out: -271.25,0 -271.25,-7.25 -261,-7.25 -261,0

## Silkscreen, mask and mechanical layers (free items; w line width, h text height)
Top Solder:
  drawing of 8 lines, arcs and shapes, not listed
Mechanical 1:
  drawing of 475 lines, arcs and shapes, not listed

## Text inside footprints (layer, text, board x,y; h text height)
D1: Mechanical 7 "K" at -268.25,-18.635 h1.16 r90
D2: Mechanical 7 "K" at -249.506,-4.119 h1.16 r270
D3: Mechanical 7 "K" at -230.456,-4.119 h1.16 r270
D4: Mechanical 7 "K" at -211.406,-4.119 h1.16 r270
D5: Mechanical 7 "K" at -192.356,-4.119 h1.16 r270
D6: Mechanical 7 "K" at -173.306,-4.119 h1.16 r270
D7: Mechanical 7 "K" at -154.256,-4.119 h1.16 r270
D8: Mechanical 7 "K" at -135.206,-4.119 h1.16 r270
D9: Mechanical 7 "K" at -116.156,-4.119 h1.16 r270
D10: Mechanical 7 "K" at -97.106,-4.119 h1.16 r270
D11: Mechanical 7 "K" at -78.056,-4.119 h1.16 r270
D12: Mechanical 7 "K" at -59.006,-4.119 h1.16 r270
D13: Mechanical 7 "K" at -39.956,-4.119 h1.16 r270
D14: Mechanical 7 "K" at -11.381,-4.119 h1.16 r270
D15: Mechanical 7 "K" at -263.794,-23.169 h1.16 r270
D16: Mechanical 7 "K" at -239.981,-23.169 h1.16 r270
D17: Mechanical 7 "K" at -220.931,-23.169 h1.16 r270
D18: Mechanical 7 "K" at -201.881,-23.169 h1.16 r270
D19: Mechanical 7 "K" at -182.831,-23.169 h1.16 r270
D20: Mechanical 7 "K" at -163.781,-23.169 h1.16 r270
D21: Mechanical 7 "K" at -144.731,-23.169 h1.16 r270
D22: Mechanical 7 "K" at -125.681,-23.169 h1.16 r270
D23: Mechanical 7 "K" at -106.631,-23.169 h1.16 r270
D24: Mechanical 7 "K" at -87.581,-23.169 h1.16 r270
D25: Mechanical 7 "K" at -68.531,-23.169 h1.16 r270
D26: Mechanical 7 "K" at -49.481,-23.169 h1.16 r270
D27: Mechanical 7 "K" at -30.431,-23.169 h1.16 r270
D28: Mechanical 7 "K" at -6.619,-23.169 h1.16 r270
D29: Mechanical 7 "K" at -261.412,-42.219 h1.16 r270
D30: Mechanical 7 "K" at -235.219,-42.219 h1.16 r270
D31: Mechanical 7 "K" at -216.169,-42.219 h1.16 r270
D32: Mechanical 7 "K" at -197.119,-42.219 h1.16 r270
D33: Mechanical 7 "K" at -178.069,-42.219 h1.16 r270
D34: Mechanical 7 "K" at -159.4,-42.1 h1.16 r270
D35: Mechanical 7 "K" at -139.969,-42.219 h1.16 r270
D36: Mechanical 7 "K" at -120.919,-42.219 h1.16 r270
D37: Mechanical 7 "K" at -101.869,-42.219 h1.16 r270
D38: Mechanical 7 "K" at -82.819,-42.219 h1.16 r270
D39: Mechanical 7 "K" at -63.769,-42.219 h1.16 r270
D40: Mechanical 7 "K" at -44.719,-42.219 h1.16 r270
D41: Mechanical 7 "K" at -13.762,-42.219 h1.16 r270
D42: Mechanical 7 "K" at -256.65,-61.269 h1.16 r270
D43: Mechanical 7 "K" at -225.694,-61.269 h1.16 r270
D44: Mechanical 7 "K" at -206.644,-61.269 h1.16 r270
D45: Mechanical 7 "K" at -187.594,-61.269 h1.16 r270
D46: Mechanical 7 "K" at -168.544,-61.269 h1.16 r270
D47: Mechanical 7 "K" at -149.494,-61.269 h1.16 r270
D48: Mechanical 7 "K" at -130.444,-61.269 h1.16 r270
D49: Mechanical 7 "K" at -111.394,-61.269 h1.16 r270
D50: Mechanical 7 "K" at -92.344,-61.269 h1.16 r270
D51: Mechanical 7 "K" at -73.294,-61.269 h1.16 r270
D52: Mechanical 7 "K" at -54.244,-61.269 h1.16 r270
D53: Mechanical 7 "K" at -18.525,-61.269 h1.16 r270
D54: Mechanical 7 "K" at -266.175,-80.319 h1.16 r270
D55: Mechanical 7 "K" at -242.362,-80.319 h1.16 r270
D56: Mechanical 7 "K" at -218.55,-80.319 h1.16 r270
D57: Mechanical 7 "K" at -147.112,-80.319 h1.16 r270
D58: Mechanical 7 "K" at -75.675,-80.319 h1.16 r270
D59: Mechanical 7 "K" at -51.862,-80.319 h1.16 r270
D60: Mechanical 7 "K" at -28.05,-80.319 h1.16 r270
D61: Mechanical 7 "K" at -4.237,-80.319 h1.16 r270